# Altium PCB MotionControllerV1.1_EtherCAT.PcbDoc
Units mil, origin at the board's own origin, x right, y up, seen from the top; angles counter-clockwise.
Board outline 2175.38 x 2765.94 mil, 2 copper layers (Top Layer, Bottom Layer); 61 components, 58 nets, 239 pads, 93 vias.
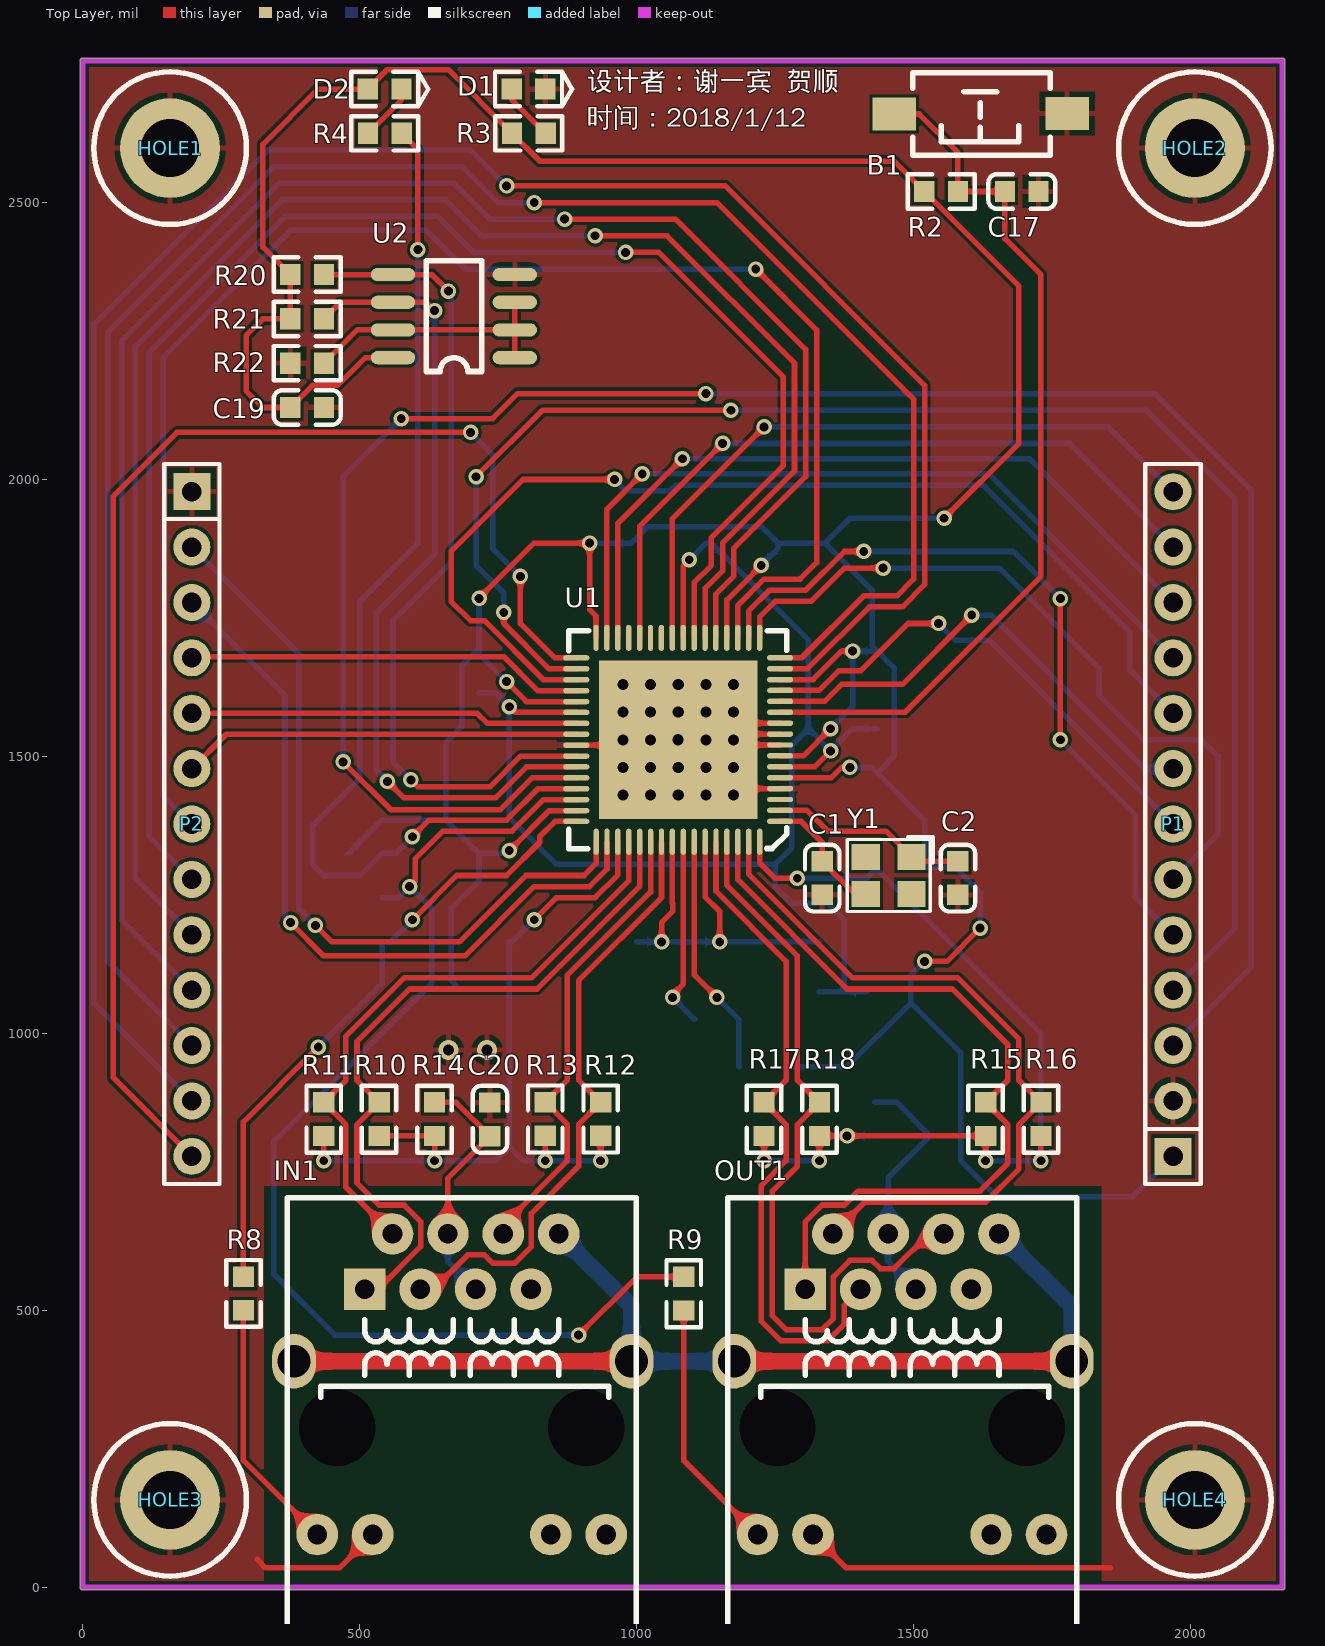
[diagram p0: Top Layer view]
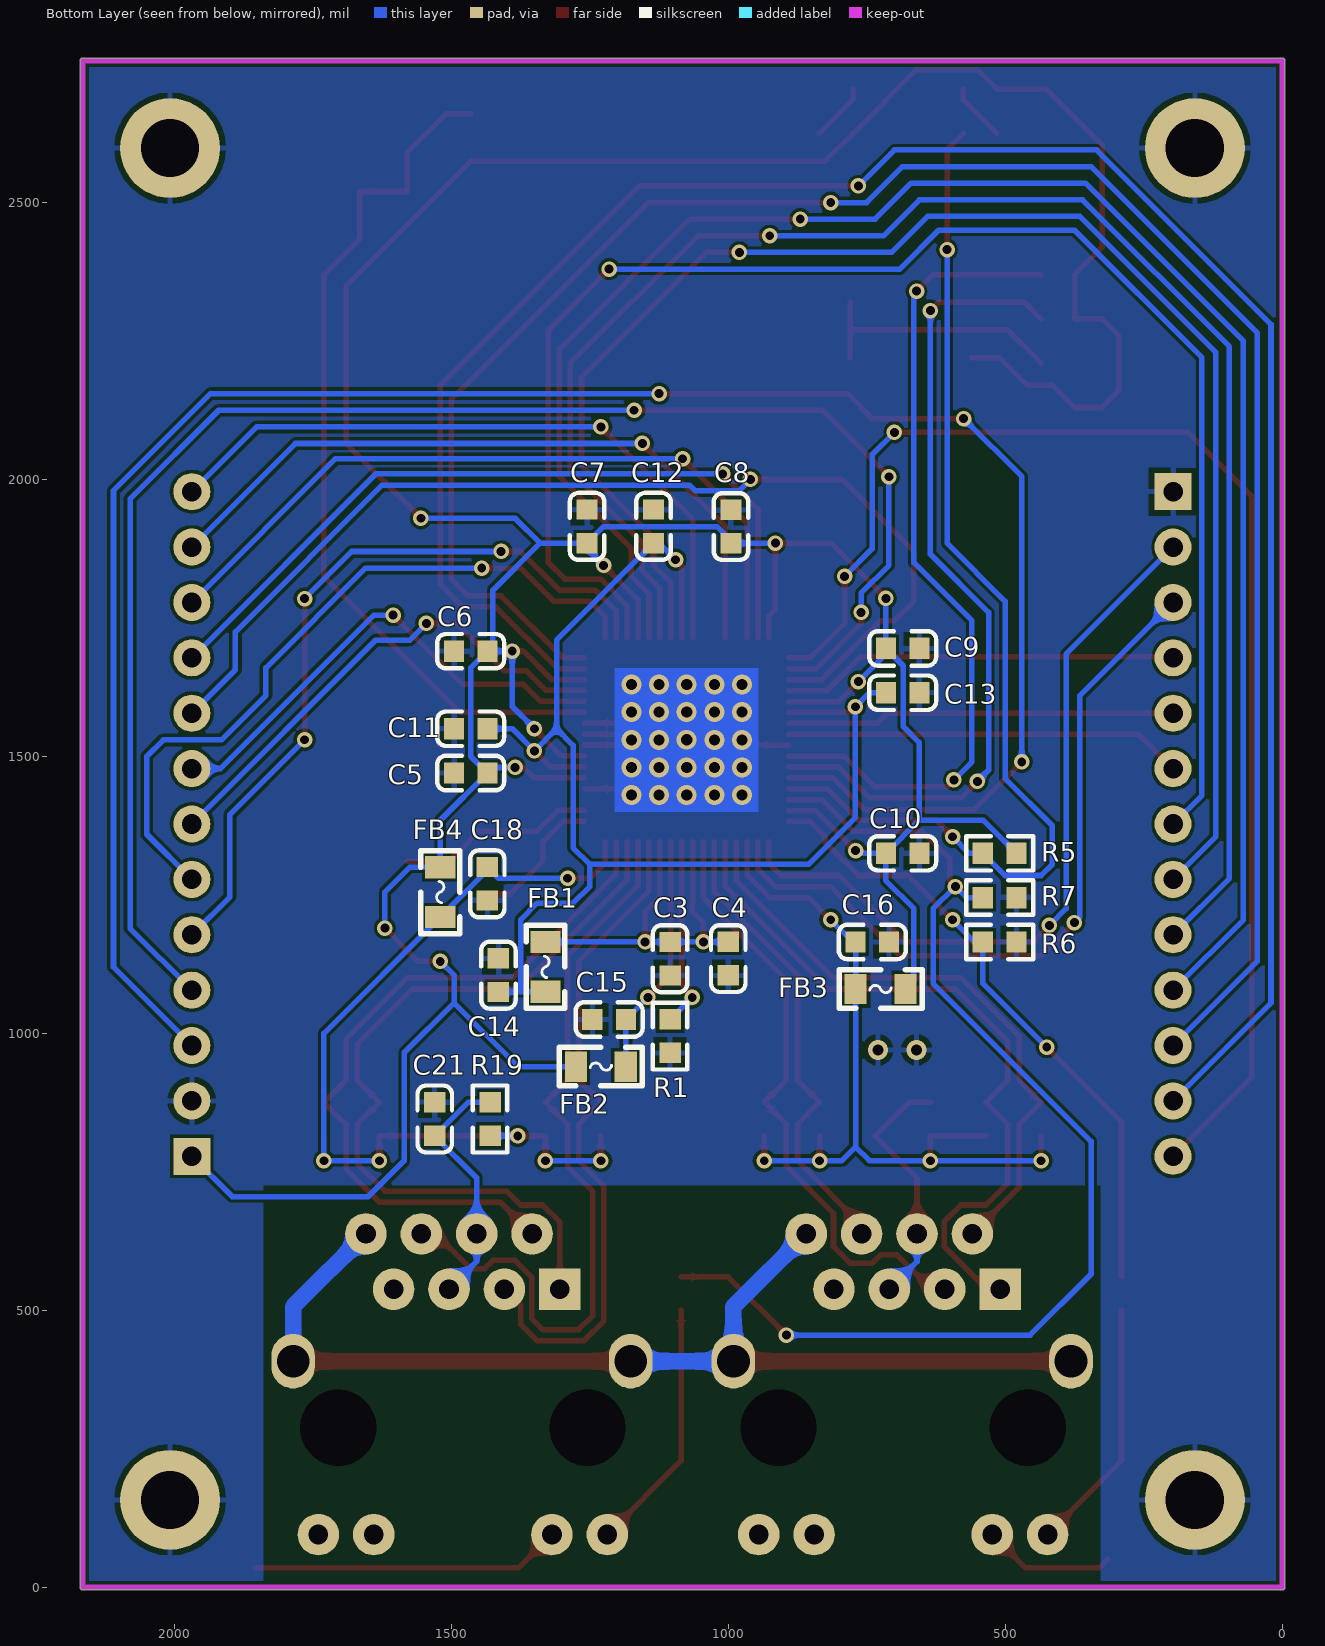
[diagram p1: Bottom Layer view, seen from below]

## Layer stack, top to bottom
Top Solder: solder mask 0.4, Solder Resist, Dk 3.5
Top Layer: signal copper 1.4
Dielectric 1: dielectric 12.6, FR-4, Dk 4.8
Bottom Layer: signal copper 1.4
Bottom Solder: solder mask 0.4, Solder Resist, Dk 3.5

## Board outline
-5.02,0 ccw(c0,0) 0,-5.01 2165.35,-5.01 ccw(c2165.35,0) 2170.37,0 2170.37,2755.91 ccw(c2165.35,2755.91) 2165.35,2760.92 0,2760.92 ccw(c0,2755.91) -5.02,2755.91

## Design rules (kind name [scope] priority, off if disabled: settings)
Clearance [All] p1: gap=6
PolygonConnect [All] p1: connectstyle=Relief reliefconductorwidth=10 reliefentries=4 polygonreliefangle="90 Angle" airgapwidth=10
RoutingVias [All] p1: holewidth=16 width=28 viastyle="Through Hole" minholewidth=16 minwidth=28 maxholewidth=28 maxwidth=50
SolderMaskExpansion [All] p1: expansion=4
Width [All] p1: maxlimit=100 minlimit=10 preferedwidth=10
30 further rules are at their usual default settings.

## Components (designator, comment, footprint, x,y, rotation, side; value= is the part's Value field where it differs from the comment)
B1 "SW-PB" "TSW SMD-3*6*2.5" 1620,2660 r180 top
C1 "Cap" 0603_C 1335,1280.31 r270 top
C2 "Cap" 0603_C 1580,1280.32 r270 top
C3 "Cap" 0603_C 1105,1134.68 r90 bottom
C4 "Cap" 0603_C 1000,1135 r90 bottom
C5 "Cap" 0603_C 1465,1470 r180 bottom
C6 "Cap" 0603_C 1465,1690 r180 bottom
C7 "Cap" 0603_C 1255,1915.32 r270 bottom
C8 "Cap" 0603_C 995,1915 r270 bottom
C9 "Cap" 0603_C 685,1695 r0 bottom
C10 "Cap" 0603_C 685,1325 r0 bottom
C11 "Cap" 0603_C 1465,1550 r180 bottom
C12 "Cap" 0603_C 1135,1915.32 r270 bottom
C13 "Cap" 0603_C 685,1615 r0 bottom
C14 "Cap" 0603_C 1415,1105 r270 bottom
C15 "Cap" 0603_C 1215,1025 r0 bottom
C16 "Cap" 0603_C 740,1165 r180 bottom
C17 "Cap" 0603_C 1695.31,2520 r0 top
C18 "Cap" 0603_C 1435,1270 r270 bottom
C19 "Cap" 0603_C 405,2130 r0 top
C20 "Cap" 0603_C 735,844.68 r90 top
C21 "Cap" 0603_C 1530,845.31 r90 bottom
D1 "LED0" 0603_LED 804.68,2705 r180 top
D2 "LED0" 0603_LED 545,2705 r180 top
FB1 "Inductor" "FU 0805" 1330,1120 r270 bottom
FB2 "Inductor" "FU 0805" 1230,940 r0 bottom
FB3 "Inductor" "FU 0805" 725,1080 r0 bottom
FB4 "Inductor" "FU 0805" 1520,1255 r270 bottom
HOLE1 "HOLE" M2.5x6+6_L 157.48,2598.43 r0 top
HOLE2 "HOLE" M2.5x6+6_L 2007.87,2598.43 r0 top
HOLE3 "HOLE" M2.5x6+6_L 157.48,157.48 r0 top
HOLE4 "HOLE" M2.5x6+6_L 2007.87,157.48 r0 top
IN1 "RJ45" RJ-45A12 684.18,287.91 r0 top
OUT1 "RJ45" RJ-45A12 1479.18,287.91 r0 top
P1 "Header 13" HDR2.54-LI-13P 1968.5,1377.95 r90 top
P2 "Header 13" HDR2.54-LI-13P 196.85,1377.95 r270 top
R1 "Res2" 0603_R 1105,995 r90 bottom
R2 "Res2" 0603_R 1549.68,2520 r0 top
R3 "Res2" 0603_R 805.31,2625 r0 top
R4 "Res2" 0603_R 545.32,2625 r180 top
R5 "Res2" 0603_R 510,1325 r180 bottom
R6 "Res2" 0603_R 510,1165 r0 bottom
R7 "Res2" 0603_R 510,1245 r0 bottom
R8 "Res2" 0603_R 290,530.32 r270 top
R9 "Res2" 0603_R 1085,530 r270 top
R10 "Res2" 0603_R 535,845 r270 top
R11 "Res2" 0603_R 435,845 r270 top
R12 "Res2" 0603_R 935,845.32 r270 top
R13 "Res2" 0603_R 835,845.32 r270 top
R14 "Res2" 0603_R 635,845 r270 top
R15 "Res2" 0603_R 1630,845 r270 top
R16 "Res2" 0603_R 1730,845 r270 top
R17 "Res2" 0603_R 1230,845 r270 top
R18 "Res2" 0603_R 1330,845 r270 top
R19 "Res2" 0603_R 1430,845.31 r270 bottom
R20 "Res2" 0603_R 405,2370 r0 top
R21 "Res2" 0603_R 405,2290 r0 top
R22 "Res2" 0603_R 405,2210 r180 top
U1 "LAN9252" QFN64 1075,1530 r180 top
U2 "EEPROM" SOP8 779,2219 r180 top
Y1 "XTAL_4" "OSC 3225-4P" 1455,1285 r180 top

## Footprints (in the part's own frame and the unit in brackets; to place one, negate y for a bottom-side part, rotate by r counter-clockwise, add the part's x,y. Pads: shape width x height; smd on the part's side, far side on the other; paste and mask are expansions set on the pad)
0603_C [mm]
  rect 0.93x0.98 smd: 1(-0.77,0) 2(0.77,0)
  silkscreen extent -1.53,-0.79 1.54,0.79, body extent -0.8,-0.4 0.8,0.4, height 0.3
0603_LED [mm]
  rect 0.93x0.98 smd: 1(0.77,0) 2(-0.77,0)
  silkscreen extent -2,-0.79 1.53,0.79, body extent -0.8,-0.4 0.8,0.4, height 0.6
0603_R [mm]
  rect 0.93x0.98 smd: 1(-0.77,0) 2(0.77,0)
  silkscreen extent -1.53,-0.79 1.54,0.79, body extent -0.85,-0.4 0.85,0.4, height 0.56
"FU 0805" [mil] "贴片保险丝"
  rect 40x55 smd: 1(-45,0) 2(45,0)
  silkscreen extent -75,-35 75,35, body extent -39,-24 39,24, height 20
HDR2.54-LI-13P [mm] "排针，13脚"
  rect 1.7x1.7 hole 0.9: 1(-15.24,0)
  round 1.7 hole 0.9: 2(-12.7,0) 3(-10.16,0) 4(-7.62,0) 5(-5.08,0) 6(-2.54,0) 7(0,0) 8(2.54,0) 9(5.08,0) 10(7.62,0) 11(10.16,0) 12(12.7,0) 13(15.24,0)
  silkscreen extent -16.51,-1.27 16.51,1.27, body extent -16.51,-1.27 16.51,1.27, height 8.5
M2.5x6+6_L [mm] "M2.5铜柱，长：6mm，螺纹长：6mm"
  round 4.58 hole 2.675: 1(0,0)
  silkscreen extent -3.5,-3.5 3.5,3.5, body extent -2.7,-2.35 2.7,2.35, height 6.05
"OSC 3225-4P" [mm] "3.2*2.5*0.7mm(长宽高)"
  rect 1.3x1.2 smd: 1(-1.05,-0.85) 2(1.05,-0.85) 3(1.05,0.85) 4(-1.05,0.85)
  silkscreen extent -2.03,-1.75 1.91,1.65, body extent -1.6,-1.25 1.6,1.25, height 0.7
QFN64 [mm] "9mm*9mm（蒜米工坊）"
  oval 1.2x0.25 smd: 1(-4.674,3.738) 2(-4.674,3.238) 3(-4.674,2.738) 4(-4.674,2.238) 5(-4.674,1.738) 6(-4.674,1.238) 7(-4.674,0.738) 8(-4.674,0.238) 9(-4.674,-0.262) 10(-4.674,-0.762) 11(-4.674,-1.262) 12(-4.674,-1.762) 13(-4.674,-2.262) 14(-4.674,-2.762) 15(-4.674,-3.262) 16(-4.674,-3.762) 33(4.674,-3.754) 34(4.674,-3.254) 35(4.674,-2.754) 36(4.674,-2.254) 37(4.674,-1.754) 38(4.674,-1.254) 39(4.674,-0.754) 40(4.674,-0.254) 41(4.674,0.246) 42(4.674,0.746) 43(4.674,1.246) 44(4.674,1.746) 45(4.674,2.246) 46(4.674,2.746) 47(4.674,3.246) 48(4.674,3.746)
  oval 0.25x1.2 smd: 17(-3.73,-4.675) 18(-3.23,-4.675) 19(-2.73,-4.675) 20(-2.23,-4.675) 21(-1.73,-4.675) 22(-1.23,-4.675) 23(-0.73,-4.675) 24(-0.23,-4.675) 25(0.27,-4.675) 26(0.77,-4.675) 27(1.27,-4.675) 28(1.77,-4.675) 29(2.27,-4.675) 30(2.77,-4.675) 31(3.27,-4.675) 32(3.77,-4.675) 49(3.767,4.675) 50(3.267,4.675) 51(2.767,4.675) 52(2.267,4.675) 53(1.767,4.675) 54(1.267,4.675) 55(0.767,4.675) 56(0.267,4.675) 57(-0.233,4.675) 58(-0.733,4.675) 59(-1.233,4.675) 60(-1.733,4.675) 61(-2.233,4.675) 62(-2.733,4.675) 63(-3.233,4.675) 64(-3.733,4.675)
  rect 7.25x7.25 smd: 65(0,-0.001)
  silkscreen extent -4.98,-5 5.02,5, body extent -4.47,-4.52 4.57,4.52, height 0.9
RJ-45A12 [mm] "网线接口"
  round 3.302 hole 3.5: 0(-5.715,0) 0(5.715,0)
  rect 1.905x1.905 hole 0.9: 1(-4.445,6.35)
  round 1.905 hole 0.9: 2(-3.175,8.89) 3(-1.905,6.35) 4(-0.635,8.89) 5(0.635,6.35) 6(1.905,8.89) 7(3.175,6.35) 8(4.445,8.89) 9(-6.625,-4.9) 10(-4.085,-4.9) 11(4.085,-4.9) 12(6.625,-4.9)
  oval 2x2.5 hole 1.5: 13(7.785,3.05) 14(-7.695,3.05)
  silkscreen extent -8,-11.1 8,10.54, body extent -7.97,-10.93 7.91,10.47, height 1.5
SOP8 [mil] "（蒜米工坊）"
  oval 80x24 smd: 1(-1,-1) 2(-1,-51) 3(-1,-101) 4(-1,-151) 5(219,-151) 6(219,-101) 7(219,-51) 8(219,-1)
  silkscreen extent 59,-176 159,24, body extent -4,-174 234,24, height 63
"TSW SMD-3*6*2.5" [mm] "3*6*2.5mm"
  rect 2x1.5 smd: 1(-3.996,-0.02) 2(3.937,0)
  silkscreen extent -3.21,-1.9 3.09,1.9, body extent -4,-1.88 4,1.62, height 2.59

## Part data
B1: "Switch"
C1 C2 C3 C4 C5 C6 C7 C8 C9 C10 C11 C12 C13 C14 C15 C16 C17 C18 C19 C20 C21: "Capacitor"
D1 D2: "Typical INFRARED GaAs LED"
P1 P2: "Header, 13-Pin"
R1 R2 R3 R4 R5 R6 R7 R8 R9 R10 R11 R12 R13 R14 R15 R16 R17 R18 R19 R20 R21 R22: "Resistor"
Y1: "Crystal Oscillator"

## Via types
v1: diameter 28, hole 16, Top Layer to Bottom Layer, 66 vias
v2: diameter 36, hole 20, Top Layer to Bottom Layer, 27 vias

## Nets (pads, with @x,y where several pads share a name; then routed paths per layer and width w, separated by ;. In a path a pad name is that pad's centre, name@x,y a point inside that pad or via, vN(x,y) a via of type N, cw(c..) or ccw(c..) an arc to the next point about the centre after c; other vN are vias at no path point)
3V3_2: C5.2 C6.2 C7.2 C8.2 C9.2 C10.2 C19.1 D2.1 FB2.2 FB3.1 FB4.1 P1.1 R2.1 R3.1 R5.2 R20.1 R21.1 U1.5 U1.7 U1.14 U1.20 U1.32 U1.37 U1.47 U2.8 | length 8383.2
  Top Layer w10: U2.8 510,2220 460,2170 414.69,2170 C19.1 325,2130 295,2160 295,2260 325,2290 R21.1 R20.1 325,2419.69 325,2605 425,2705 D2.1 549.59,2739.91 660.09,2739.91 R3.1 825,2575 1464.37,2575 R2.1 1690,2349.37 1690,2065 v1(1555,1930) ; v1(715.32,1785.32) 715.32,1785.67 814.64,1885 v1(915,1885) 915,1765 926.57,1753.43 U1.32 ; v1(765,1635) 800.95,1599.05 U1.37 ; v1(770,1330) 842.2,1402.2 U1.47 ; U1.20 1162.8,1782.8 v1(1225,1845) ; U1.5 1351.57,1461.57 1370,1480 v1(1385,1480) ; U1.7 1300.94,1500.94 v1(1350,1550) ; U1.14 1318.74,1638.74 1370,1690 v1(1390,1690) ; v1(1520,1130) 1560,1130 v1(1620,1190)
  Bottom Layer w10: R5.2 539.68,1385 655.32,1385 ; FB3.1 665,1095 665,1225 715.32,1275.32 C10.2 ; v1(715.32,1785.32) C9.2 ; v1(765,1635) 715.32,1684.68 C9.2 ; v1(770,1330) 765,1325 C10.2 ; v1(915,1885) 989.37,1885 989.68,1884.68 1020,1915 1225,1915 C7.2 ; v1(1225,1845) 1255,1875 C7.2 ; FB2.2 1380,940 1495,1055 ; v1(1350,1550) 1390,1590 v1(1390,1690) C6.2 ; v1(1385,1480) 1424.68,1480 C5.2 ; v1(1520,1130) 1495,1105 1495,1055 ; v1(1555,1930) 1385,1930 1340,1885 ; v1(1620,1190) 1620,1255 1575,1300 FB4.1 1520,1384.68 C5.2 ; P1.1 1895.55,705 1650,705 1585,770 1585,965 1495,1055 ; 655.32,1385 C10.2 ; 655.32,1385 655.32,1525.32 683.99,1553.99 683.99,1663.68 C9.2 ; C7.2 1340,1885 ; 1340,1885 1425,1800 1425,1699.68 C6.2 ; C5.2 1465,1500.32 1465,1659.68 C6.2
EARTH: IN1.8 IN1.13 IN1.14 OUT1.8 OUT1.13 OUT1.14 | length 1973.2
  Top Layer w30: IN1.14 IN1.13 ; OUT1.14 OUT1.13
  Bottom Layer w30: IN1.8 990.67,506.42 IN1.13 OUT1.14 ; OUT1.8 1785.67,506.42 OUT1.13
FSMC_A16: P1.13 U1.25 | length 1236.5
  Top Layer w10: U1.25 1064.37,1929.37 v1(1230,2095)
  Bottom Layer w10: v1(1230,2095) 1851.46,2095 P1.13
FSMC_A17: U1.29
FSMC_A18: U1.26
FSMC_A19: U1.27
FSMC_D0_1: P1.6 U1.17 | length 1328.4
  Top Layer w10: U1.17 1221.85,1751.85 1250,1780 1315,1780 1375,1840 v1(1445,1840)
  Bottom Layer w10: v1(1445,1840) 1655,1840 1835,1660 1835,1610 1915,1530 2020,1530 2050,1500 2050,1359.45 P1.6
FSMC_D1_1: P1.7 U1.13 | length 909.6
  Top Layer w10: U1.13 1329.05,1619.05 1365,1655 1405,1655 1490,1740 v1(1545,1740)
  Bottom Layer w10: v1(1545,1740) 1575,1710 1636.46,1710 P1.7
FSMC_D2_1: P1.8 U1.12 | length 888.7
  Top Layer w10: U1.12 1339.37,1599.37 1370,1630 1480,1630 v1(1605,1755)
  Bottom Layer w10: v1(1605,1755) 1640,1755 1917.05,1477.95 P1.8
FSMC_D3_1: P1.9 U1.35 | length 1955.2
  Top Layer w10: U1.35 831.58,1638.42 725,1745 700,1745 665,1780 665,1870 795,2000 v1(960,2000)
  Bottom Layer w10: v1(960,2000) 980,1980 1060,1980 1070,1990 1625,1990 1890,1725 1890,1656.46 P1.9
FSMC_D4_1: P2.2 U1.49 | length 1392.5
  Top Layer w10: v1(420,1195) 450,1165 680,1165 800,1285 905,1285 926.71,1306.71 U1.49
  Bottom Layer w10: P2.2 390,1684.8 390,1225 v1(420,1195)
FSMC_D5_1: P2.3 U1.50 | length 1362.3
  Top Layer w10: v1(375,1200) 435,1140 690,1140 815,1265 915,1265 946.39,1296.39 U1.50
  Bottom Layer w10: P2.3 365,1609.8 365,1210 v1(375,1200)
FSMC_D6_1: P2.4 U1.36 | length 720.4
  Top Layer w10: P2.4 198.9,1680 760,1680 821.26,1618.74 U1.36
FSMC_D7_1: P2.5 U1.39 | length 701.7
  Top Layer w10: P2.5 712.05,1577.95 730.32,1559.68 U1.39
FSMC_D8_1: P2.6 U1.40 | length 719.8
  Top Layer w10: P2.6 258.89,1540 U1.40
FSMC_D9_1: P2.7 U1.19 | length 2866.4
  Top Layer w10: U1.19 1182.48,1772.48 1230,1820 1295,1820 1325,1850 1325,2270 v1(1215,2380)
  Bottom Layer w10: P2.7 145,1429.8 145,2220 375,2450 620,2450 690,2380 v1(1215,2380)
FSMC_D10_1: P2.8 U1.23 | length 2888.2
  Top Layer w10: v1(980,2410) 1040,2410 1265,2185 1265,2025 1135,1895 1135,1845 1103.74,1813.74 U1.23
  Bottom Layer w10: P2.8 120,1354.8 120,2230 365,2475 640,2475 705,2410 v1(980,2410)
FSMC_D11_1: P2.9 U1.22 | length 3089.1
  Top Layer w10: v1(925,2440) 1055,2440 1285,2210 1285,2015 1155,1885 1155,1835 1123.43,1803.43 U1.22
  Bottom Layer w10: P2.9 95,1279.8 95,2240 360,2505 655,2505 720,2440 v1(925,2440)
FSMC_D12_1: P2.10 U1.21 | length 3289.9
  Top Layer w10: v1(870,2470) 1070,2470 1305,2235 1305,2005 1175,1875 1175,1825 1143.11,1793.11 U1.21
  Bottom Layer w10: P2.10 70,1204.8 70,2250 355,2535 670,2535 735,2470 v1(870,2470)
FSMC_D13_1: P2.11 U1.16 | length 3728
  Top Layer w10: v1(815,2500) 1145,2500 1500,2145 1500,1820 1470,1790 1410,1790 1298.11,1678.11 U1.16
  Bottom Layer w10: P2.11 45,1129.8 45,2265 345,2565 685,2565 750,2500 v1(815,2500)
FSMC_D14_1: P2.12 U1.15 | length 3965.6
  Top Layer w10: v1(765,2530) 1160,2530 1520,2170 1520,1810 1480,1770 1420,1770 1308.42,1658.42 U1.15
  Bottom Layer w10: P2.12 20,1054.8 20,2280 335,2595 700,2595 v1(765,2530)
FSMC_D15_1: P2.13 U1.33 | length 2452.5
  Top Layer w10: P2.13 55,919.8 55,1970 170,2085 v1(700,2085) ; v1(790,1825) 790,1740 852.21,1677.79 U1.33
  Bottom Layer w10: v1(700,2085) 740,2045 740,1875 v1(790,1825)
FSMC_NE1_1: P1.12 U1.28 | length 1303.9
  Top Layer w10: U1.28 1005.32,1915.32 v1(1155,2065)
  Bottom Layer w10: v1(1155,2065) 1781.46,2065 P1.12
FSMC_NOE_1: P1.10 U1.31 | length 1418.4
  Top Layer w10: U1.31 946.26,1946.26 v1(1010,2010)
  Bottom Layer w10: v1(1010,2010) 1636.46,2010 P1.10
FSMC_NWE_1: P1.11 U1.30 | length 1365.2
  Top Layer w10: U1.30 965.94,1920.94 v1(1082.5,2037.5)
  Bottom Layer w10: v1(1082.5,2037.5) 1708.96,2037.5 P1.11
GND_2: B1.1 C1.2 C2.2 C3.1 C4.1 C5.1 C6.1 C7.1 C8.1 C9.1 C10.1 C11.1 C12.1 C13.1 C14.1 C15.2 C16.2 C17.2 C18.2 C19.2 C20.2 C21.2 D1.2 HOLE1.1 HOLE2.1 HOLE3.1 HOLE4.1 IN1.10 OUT1.10 P1.2 P2.1 R1.1 R6.1 R7.1 R22.2 U1.4 U1.8 U1.9 U1.10 U1.41 U1.65 U2.4 | length 1120.9
  Top Layer w10: 315,50 330,35 463.35,35 IN1.10 ; U1.41 U1.65@955,1520.31 ; U1.65@1195,1441.89 U1.4 ; U1.65@1195,1520.63 U1.8 ; U1.65@1195,1540.31 U1.9 ; U1.65@1195,1560 U1.10 ; OUT1.10 1378.35,35 1855,35
  other v2: 660,970 730,970 975,1430 1025,1430 1075,1430 1125,1430 1175,1430 975,1480 1025,1480 1075,1480 1125,1480 1175,1480 975,1530 1025,1530 1075,1530.05 1125,1530 1175,1530 975,1580 1025,1580 1075,1580 1125,1580 1175,1580 975,1630 1025,1630 1075,1630 1125,1630 1175,1630
GPIO0: R6.2 R8.1 U1.48 | length 1154.7
  Top Layer w10: R8.1 290,840 v1(425,975) ; v1(595,1205) 675,1285 765,1285 825,1345 825,1355 852.52,1382.52 U1.48
  Bottom Layer w10: v1(425,975) 540.32,1090.32 R6.2 555,1165 v1(595,1205)
GPIO1: R7.2 R9.1 U1.46 | length 2111.2
  Top Layer w10: v1(590,1265) 600,1275 600,1315 650,1365 775,1365 831.89,1421.89 U1.46 ; v1(895,455) 1000.31,560.31 R9.1
  Bottom Layer w10: R7.2 570,1245 v1(590,1265) 630,1225 630,1090 345,805 345,565 455,455 v1(895,455)
GPIO2: R4.1 R5.1 U1.45 | length 1960
  Top Layer w10: R4.1 605,2595.63 v1(605,2415) ; v1(595,1355) 625,1385 765,1385 821.57,1441.57 U1.45
  Bottom Layer w10: v1(595,1355) 565,1325 R5.1 500.31,1285 435,1285 415,1305 415,1375 500,1460 500,1780 605,1885 v1(605,2415)
I2C2_SCL: R21.2 U1.43 U2.6 | length 1496.7
  Top Layer w10: R21.2 465.32,2320 U2.6 620,2320 v1(635,2305) ; v1(550,1455) 580,1425 745,1425 800.94,1480.94 U1.43
  Bottom Layer w10: v1(550,1455) 530,1475 530,1760 635,1865 v1(635,2305)
I2C2_SDA: R20.2 U1.42 U2.5 | length 1505.4
  Top Layer w10: R20.2 U2.5 630,2370 v1(660,2340) ; v1(592.5,1457.5) 605,1445 735,1445 790.63,1500.63 U1.42
  Bottom Layer w10: v1(592.5,1457.5) 560,1490 560,1745 665,1850 665,2335 v1(660,2340)
IRQ_1: P1.3 U1.44 | length 3830.6
  Top Layer w10: v1(470,1490) 556,1404 754,1404 811.26,1461.26 U1.44 ; v1(575,2110) 740,2110 785,2155 v1(1125,2155)
  Bottom Layer w10: v1(470,1490) 470,2005 v1(575,2110) ; v1(1125,2155) 1935,2155 2110,1980 2110,1119.45 P1.3
NetC1_1: C1.1 U1.1 Y1.3 | length 229.2
  Top Layer w10: U1.1 1297.17,1382.83 1335,1345 C1.1 1394.09,1251.54 Y1.3
NetC2_1: C2.1 U1.2 Y1.1 | length 359.1
  Top Layer w10: U1.2 1307.48,1402.52 1345,1365 1449.8,1365 Y1.1 1504.17,1310.63 C2.1
NetC15_1: C15.1 FB2.1 U1.58 | length 439.6
  Top Layer w10: U1.58 1103.87,1106.13 v1(1145,1065)
  Bottom Layer w10: v1(1145,1065) 1184.69,1025.31 C15.1 1184.69,940.31 FB2.1
NetC20_1: C20.1 IN1.4 IN1.5 R14.1 | length 453.8
  Top Layer w10: R14.1 674.06,875.31 C20.1 659.18,738.55 IN1.4
  Bottom Layer w10: IN1.4 659.18,587.91 IN1.5
NetC21_1: C21.1 OUT1.4 OUT1.5 R19.1 | length 454.3
  Bottom Layer w10: R19.1 1469.37,875.63 C21.1 1454.18,739.18 OUT1.4 1454.18,587.91 OUT1.5
NetD1_1: D1.1 R3.2 | length 105.4
  Top Layer w10: D1.1 774.37,2686.26 R3.2
NetD2_2: D2.2 R4.2 | length 105
  Top Layer w10: R4.2 575.32,2685.32 D2.2
NetIN1_9: IN1.9 R8.2 | length 460.2
  Top Layer w10: R8.2 290,228.35 IN1.9
NetOUT1_9: OUT1.9 R9.2 | length 459.9
  Top Layer w10: R9.2 1085,228.35 OUT1.9
NetR1_2: R1.2 U1.57 | length 345.3
  Top Layer w10: v1(1065,1065) 1065,1070 1084.19,1089.19 U1.57
  Bottom Layer w10: v1(1065,1065) 1104.68,1025.32 R1.2
NetR22_1: R22.1 U2.1 U2.2 U2.3 U2.7 | length 469.5
  Top Layer w10: R22.1 495.31,2270 U2.7 U2.2 ; U2.1 U2.2 ; U2.3 U2.2
RST#: B1.2 C17.1 R2.2 U1.11 | length 1593.5
  Top Layer w10: U1.11 1484.68,1579.68 1730,1825 1730,2370 1665,2435 C17.1 R2.2 1580,2590 1510,2660 B1.2
RXNA: IN1.6 R13.1 U1.54 | length 851.3
  Top Layer w10: IN1.6 759.18,654.18 875,770 875,835.63 R13.1 875,915.63 875,1105 1025.13,1255.13 U1.54
RXNB: OUT1.6 R18.1 U1.61 | length 1407.9
  Top Layer w10: U1.61 1162.93,1267.07 1290,1140 1290,915.31 R18.1 1290,835.31 1290,760 1245,715 1245,490 1270,465 1335,465 1355,485 1355,560 1385,590 1425,590 1440,575 1465,575 1527.91,637.91 OUT1.6
RXPA: IN1.3 R12.1 U1.55 | length 1106.5
  Top Layer w10: IN1.3 632.91,537.91 695,600 725,600 740,585 780,585 810,615 810,675 895,760 895,835.63 R12.1 895,915.63 895,1095 1044.82,1244.82 U1.55
RXPB: OUT1.3 R17.1 U1.60 | length 1222.1
  Top Layer w10: U1.60 1143.24,1256.76 1270,1130 1270,915.31 R17.1 1270,835.31 1270,770 1225,725 1225,480 1260,445 1345,445 1375,475 1375,508.73 OUT1.3
SYNC0_1: P1.4 U1.34 | length 2869.8
  Top Layer w10: v1(710,2005) 830,2125 v1(1170,2125) ; v1(760,1760) 760,1740 841.89,1658.11 U1.34
  Bottom Layer w10: v1(710,2005) 710,1845 760,1795 v1(760,1760) ; v1(1170,2125) 1920,2125 2080,1965 2080,1189.45 P1.4
SYNC1_1: P1.5 U1.18 | length 1382.2
  Top Layer w10: U1.18 1202.17,1762.17 1240,1800 1305,1800 1375,1870 v1(1410,1870) ; v1(1765,1530) v1(1765,1785)
  Bottom Layer w10: v1(1410,1870) 1680,1870 v1(1765,1785) ; v1(1765,1530) 1900,1395 1900,1246.46 P1.5
TXNA: IN1.2 R11.1 U1.52 | length 1122.3
  Top Layer w10: IN1.2 475,722.09 475,835.31 R11.1 475,915.31 475,995 580,1100 810,1100 985.76,1275.76 U1.52
TXNB: OUT1.2 R16.1 U1.63 | length 1321.7
  Top Layer w10: U1.63 1202.3,1287.7 1390,1100 1580,1100 1690,990 1690,915.31 R16.1 1690,835.31 1690,755 1630,695 1411.27,695 OUT1.2
TXPA: IN1.1 R10.1 U1.53 | length 1317
  Top Layer w10: IN1.1 532.91,537.91 610,615 610,660 580,690 535,690 495,730 495,835.31 R10.1 495,915.31 495,985 590,1080 820,1080 1005.45,1265.45 U1.53
TXPB: OUT1.1 R15.1 U1.62 | length 1458.2
  Top Layer w10: U1.62 1182.61,1277.39 1380,1080 1570,1080 1670,980 1670,915.31 R15.1 1670,835.31 1670,765 1620,715 1400,715 1375,690 1335,690 1304.18,659.18 OUT1.1
VDD12TX1: C3.2 C4.2 FB1.1 U1.56 U1.59 | length 711.3
  Top Layer w10: v1(1045,1165) 1045,1200 1065,1220 1065,1234.01 1064.5,1234.5 U1.56 ; U1.59 1123.56,1246.44 1150,1220 v1(1150,1165)
  Bottom Layer w10: C4.2@1000,1165 v1(1045,1165) C3.2 v1(1150,1165) FB1.1
VDD33TXRX1: C16.1 FB3.2 R10.2 R11.2 R12.2 R13.2 R14.2 U1.51 | length 1476
  Top Layer w10: v1(435,770) R11.2 ; R10.2 R14.2 v1(635,770) ; v1(815,1205) 855,1245 925,1245 966.08,1286.08 U1.51 ; v1(835,770) R13.2 ; v1(935,770) R12.2
  Bottom Layer w10: v1(435,770) v1(635,770) 745,770 770,795 ; v1(815,1205) 775,1165 C16.1 770,1164.69 FB3.2 770,795 ; v1(935,770) v1(835,770) 795,770 770,795
VDD33TXRX2: C18.1 FB4.2 R15.2 R16.2 R17.2 R18.2 R19.2 U1.64 | length 1652.3
  Top Layer w10: U1.64 1221.98,1308.02 1250,1280 v1(1290,1280) ; v1(1230,770) R17.2 ; v1(1330,770) R18.2 v1(1380,814.68) R15.2 v1(1630,770) ; v1(1730,770) R16.2
  Bottom Layer w10: v1(1230,770) v1(1330,770) ; v1(1290,1280) 1414.69,1280 C18.1 1435,1295 FB4.2 1730,1000 v1(1730,770) v1(1630,770) ; v1(1380,814.68) 1380.31,815 R19.2
VDDCR: C11.2 C12.2 C13.2 C14.2 FB1.2 U1.6 U1.24 U1.38 | length 2446.2
  Top Layer w10: v1(770.32,1589.68) 780.63,1579.37 U1.38 ; U1.24 1084.06,1844.06 v1(1095,1855) ; U1.6 1321.26,1481.26 v1(1350,1510)
  Bottom Layer w10: C13.2 745,1615 v1(770.32,1589.68) 770.32,1389.68 855,1305 1250,1305 ; v1(1095,1855) 1125,1885 C12.2 1310,1710 1310,1550 ; FB1.2 1375,1075 ; C14.2 1414.68,1075 1375,1075 ; C11.2 1390,1550 v1(1350,1510) 1310,1550 ; 1250,1305 1280,1335 1280,1520 1310,1550 ; 1250,1305 1250,1265 1280,1235 1345,1235 1375,1205 1375,1075
pads on no net: IN1.0 IN1.7 IN1.11 IN1.12 OUT1.0 OUT1.7 OUT1.11 OUT1.12 U1.3 Y1.2 Y1.4

## Polygon pours and split planes (outlines as drawn)
GND_2 on Bottom Layer "GND_2_L02_P062" (solid, remove dead copper, pour order 62): 0.05,2756.58 2165.41,2756.58 2165.41,5.67 2165.41,0.67 1840,0.67 1840,725.67 327,725.67 327,0.67 0.05,0.67
GND_2 on Top Layer "GND_2_L01_P064" (solid, remove dead copper, pour order 64): 0.96,2755.59 2166.32,2755.59 2166.32,-0.32 1840,-0.32 1840,724.68 327,724.68 327,-0.32 0.96,-0.32

## Keep-outs
Keep-Out Layer:
  lines w10: 5910,5650 5915,5655 ; 0,0 0,2755.91 2165.35,2755.91 2165.35,0 0,0

## Other copper
Bottom Layer:
  rectangle net GND_2: 945,1400 1205,1660

## Silkscreen, mask and mechanical layers (free items; w line width, h text height)
Top Overlay:
  text "设计者：谢一宾  贺顺" at 910,2690 h60
  text "时间：2018/1/12" at 910,2625 h60
Bottom Solder:
  rectangle: 930,1385 1220,1675